# Altium PCB Inverter2beta.PcbDoc (part 3 of 5) (continued)
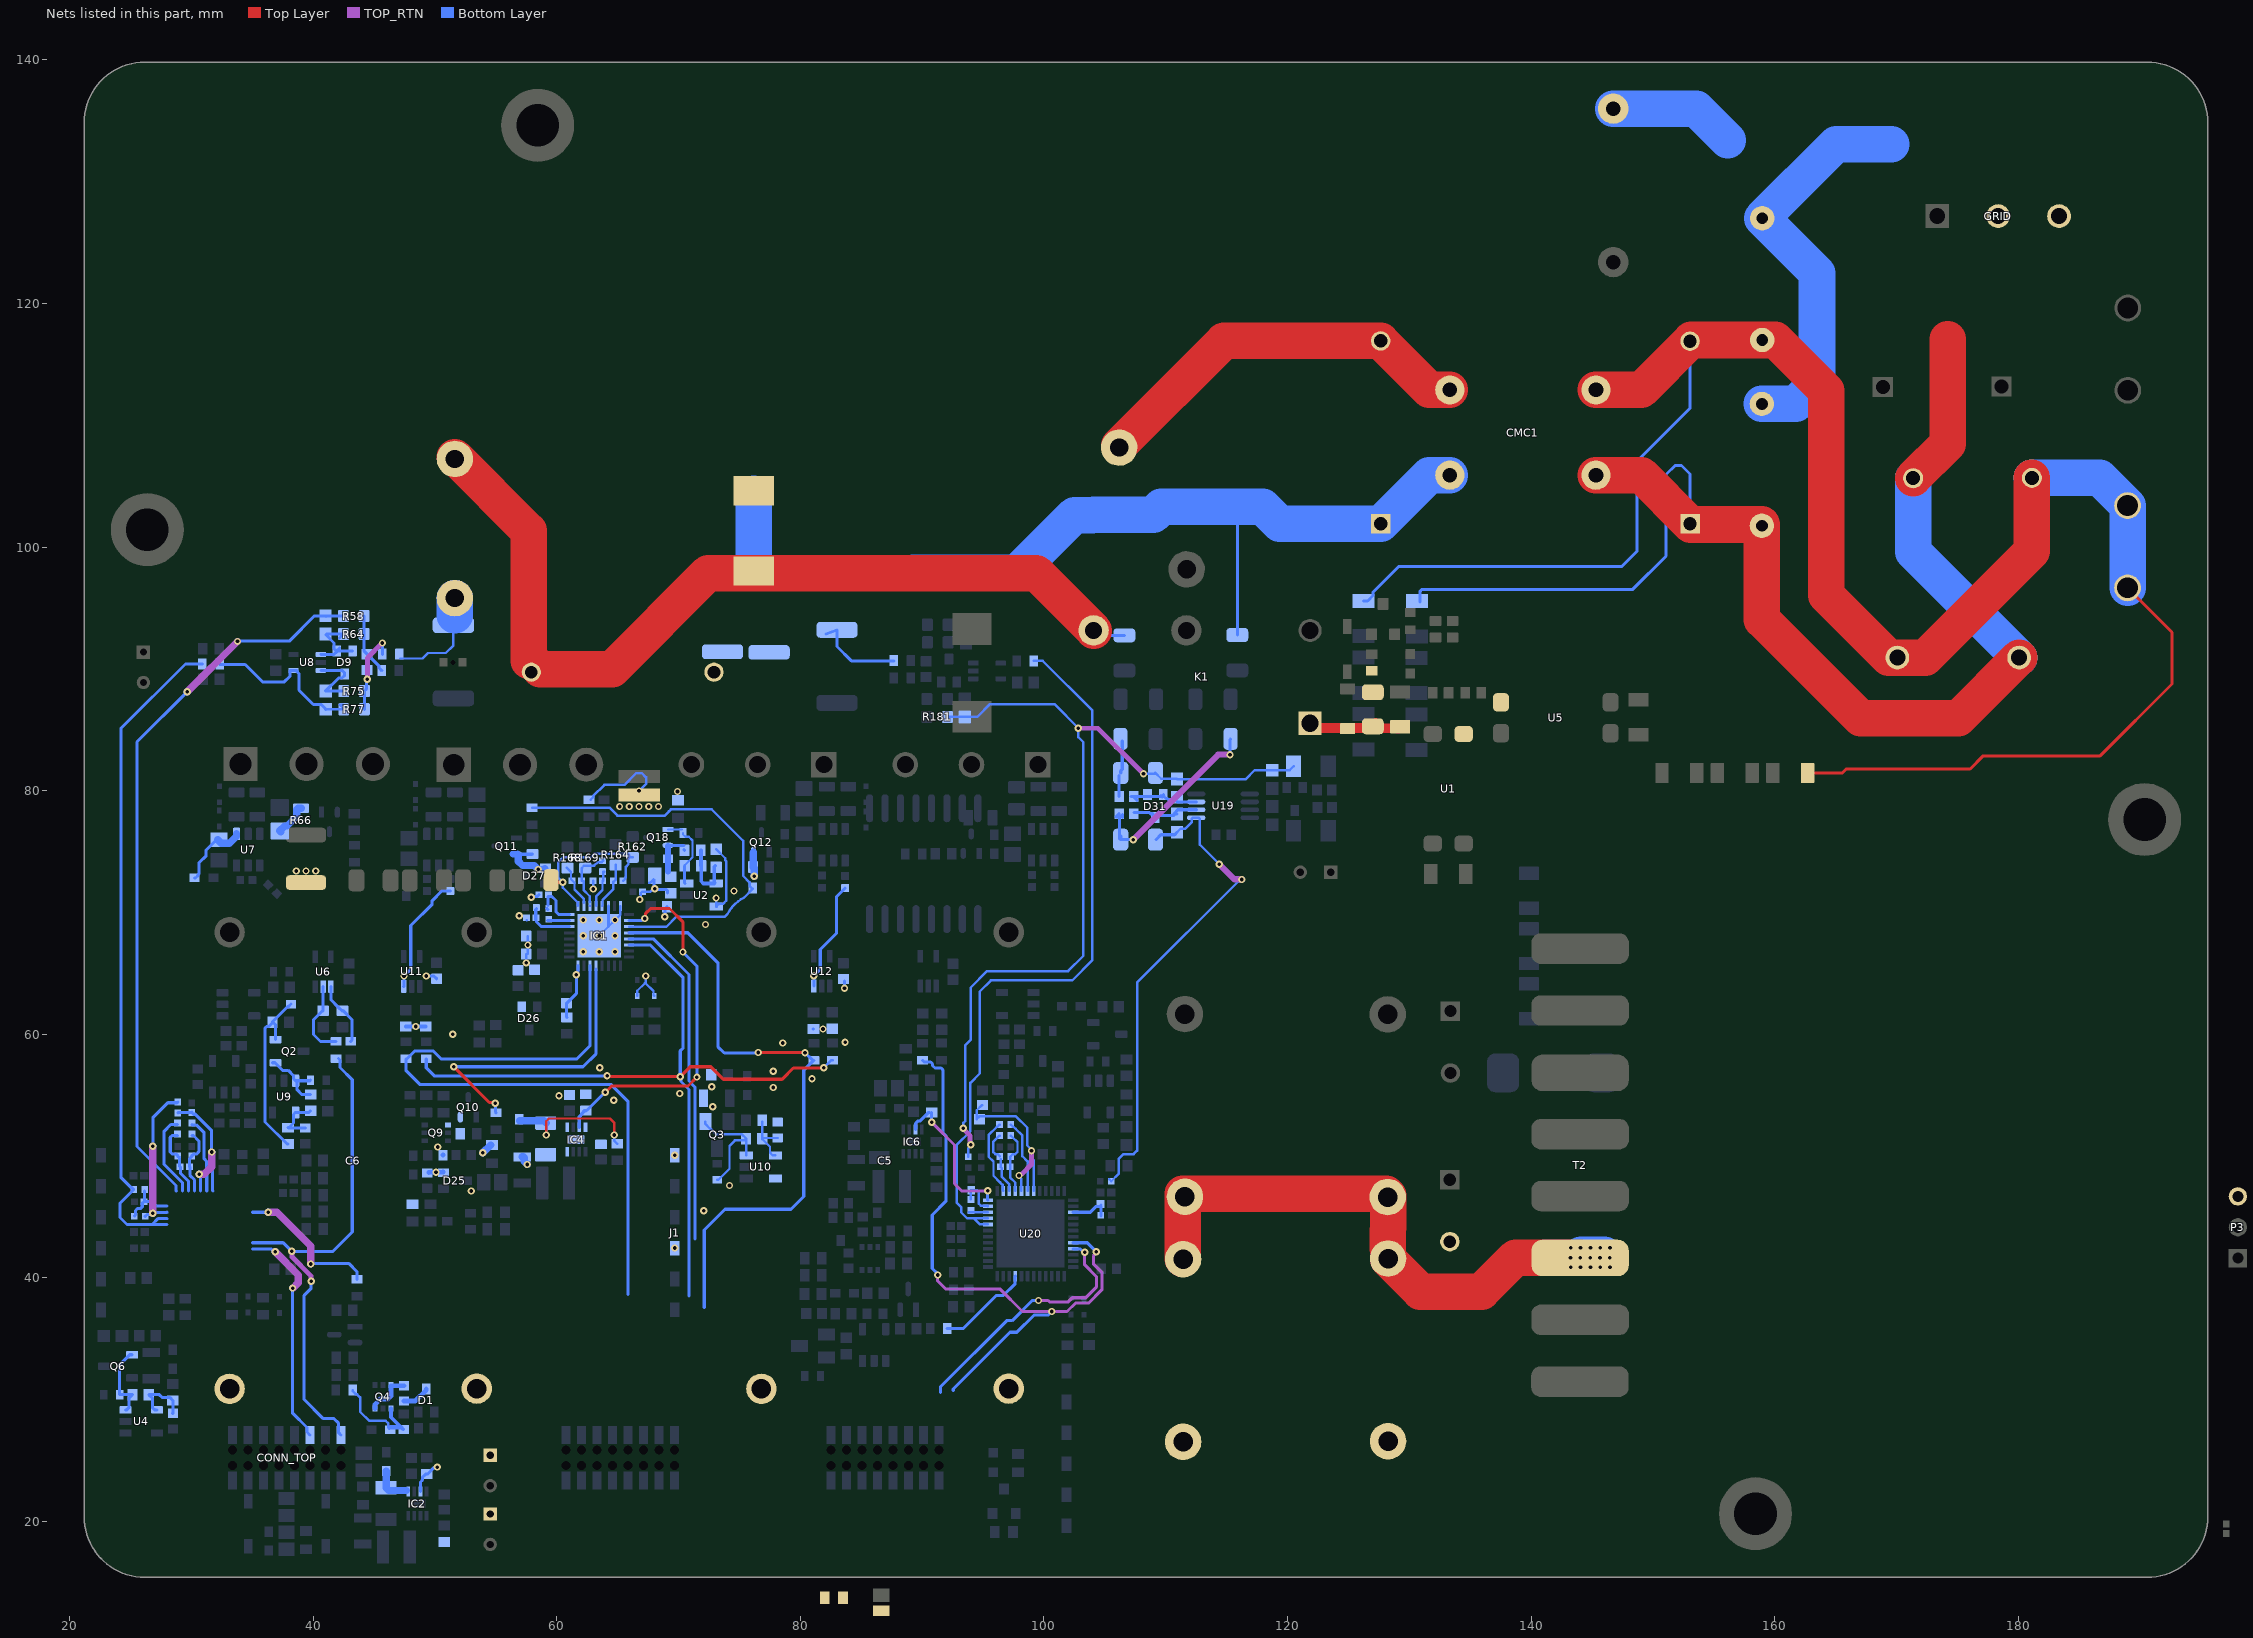
[diagram p5: the nets of this part, all layers, seen from the top]
## Part data (continued)
R71 R74 R76: library part CMP-2003-02605-1, "RES SMD 499K OHM 0.1% 1/4W 1206", Case Code (Imperial)=1206, Case Code (Metric)=3216, Manufacturer=Susumu, Manufacturer Part Number=RG3216P-4993-B-T1, Max Operating Temperature=155°C, Max Power Dissipation=250mW, Min Operating Temperature=-55°C, Package Quantity=1, Power Rating=125mW, Resistance=499kR, Resistor Type="Thin Film", Supplier Part Number 1=RG32P499KBCT-ND, Temperature coefficient=25ppm/°C, Tolerance=0.1%, Voltage Rating=150V, Voltage Rating (DC)=200V, Case/Package=1206, Category="Chip SMD Resistors", ComponentLink1Description=https://datasheet.ciiva.com/12763/rg-rm-rgh-datasheet-12763879.pdf?src-supplier=Mouser, ComponentLink1URL=https://datasheet.ciiva.com/12763/rg-rm-rgh-datasheet-12763879.pdf?src-supplier=Mouser, ComponentLink2Description=https://datasheet.ciiva.com/2490/rg-rm-rgh-datasheet-2490491.pdf?src-supplier=Digi-Key, ComponentLink2URL=https://datasheet.ciiva.com/2490/rg-rm-rgh-datasheet-2490491.pdf?src-supplier=Digi-Key, ComponentLink3Description=https://datasheet.ciiva.com/2490/rg-rm-rgh-datasheet-2490492.pdf?src-supplier=Digi-Key, ComponentLink3URL=https://datasheet.ciiva.com/2490/rg-rm-rgh-datasheet-2490492.pdf?src-supplier=Digi-Key, ComponentLink4Description=https://datasheet.ciiva.com/2490/rg-rm-rgh-datasheet-2490493.pdf?src-supplier=Digi-Key, ComponentLink4URL=https://datasheet.ciiva.com/2490/rg-rm-rgh-datasheet-2490493.pdf?src-supplier=Digi-Key, Features="Automotive AEC-Q200", Height=0.02inch, Lead Free="Lead Free", Length=0.126inch, Number of Pins=2, Number of Terminations=2, Packaging="Tape and Reel", Part Number=RG3216P-4993-B-T1, Pricing 1="1=0.59000, 10=0.42000, 100=0.21840 (USD)", RoHS=Yes, RoHS Compliant=Yes, Series=RG, Stock 1=248102, Supplier 1=Digi-Key, Termination=SMD/SMT, Width=1.6mm
R106 R114 R116: library part CMP-1659-00035-1, "General Purpose Chip Resistor, 470 Ohm, +/- 1%, -55 to 155 degC, 0603 (1608 Metric), RoHS, Tape and Reel", Case Code (Imperial)=0603, Case Code (Metric)=1608, Manufacturer=Yageo, Manufacturer Part Number=RC0603FR-07470RL, Max Operating Temperature="90 degC", Max Power Dissipation=100mW, Min Operating Temperature="-40 degC", Package Quantity=2500, Resistance="50 Ohm", Supplier Part Number 1=311-470HRCT-ND, Temperature coefficient=100ppm/°C, Tolerance=1%, Voltage Rating=50V, Working Voltage=75V, Case/Package=0603, Category="Chip SMD Resistors", ComponentLink1Description="Manufacturer URL", ComponentLink1URL=http://www.yageo.com/, ComponentLink2Description=Datasheet, ComponentLink2URL=https://datasheet.ciiva.com/11808/0900766b80f96399-11808177.pdf, ComponentLink3Description=https://datasheet.ciiva.com/11808/0900766b80f96399-11808177.pdf?src-supplier=RSComponents, ComponentLink3URL=https://datasheet.ciiva.com/11808/0900766b80f96399-11808177.pdf?src-supplier=RSComponents, ComponentLink4Description=https://datasheet.ciiva.com/7660/1868787-7660793.pdf?src-supplier=Element14, ComponentLink4URL=https://datasheet.ciiva.com/7660/1868787-7660793.pdf?src-supplier=Element14, ComponentLink5Description=https://datasheet.ciiva.com/46440/1868787-46440907.pdf?src-supplier=Element14, ComponentLink5URL=https://datasheet.ciiva.com/46440/1868787-46440907.pdf?src-supplier=Element14, ComponentLink6Description=https://datasheet.ciiva.com/2454/pyu-r-int-thick-7-2454014.pdf?src-supplier=Digi-Key, ComponentLink6URL=https://datasheet.ciiva.com/2454/pyu-r-int-thick-7-2454014.pdf?src-supplier=Digi-Key, ComponentLink7Description=https://datasheet.ciiva.com/7746/1738695-7746359.pdf?src-supplier=Element14, ComponentLink7URL=https://datasheet.ciiva.com/7746/1738695-7746359.pdf?src-supplier=Element14, ComponentLink8Description=https://datasheet.ciiva.com/7746/1738695-7746360.pdf?src-supplier=Element14, ComponentLink8URL=https://datasheet.ciiva.com/7746/1738695-7746360.pdf?src-supplier=Element14, ComponentLink9Description=https://datasheet.ciiva.com/2454/pyu-r-int-thick-7-2454012.pdf?src-supplier=Digi-Key, ComponentLink9URL=https://datasheet.ciiva.com/2454/pyu-r-int-thick-7-2454012.pdf?src-supplier=Digi-Key, ComponentLink10Description=https://datasheet.ciiva.com/2454/pyu-r-int-thick-7-2454013.pdf?src-supplier=Digi-Key, ComponentLink10URL=https://datasheet.ciiva.com/2454/pyu-r-int-thick-7-2454013.pdf?src-supplier=Digi-Key, Composition="Thick Film", Contact Material=Brass, Contact Plating=Gold, DatasheetVersion="Rev. 4, 04/2009", Depth=0.8mm, Fastening Type=Snap, Features="Moisture Resistant", Height="1.25 mm", Impedance="50 Ohm", Lead Free="Lead Free", Length="3 mm", Military Standard=Not, Mount="Surface Mount", Number of Terminations=2, PackageDescription="2-Pin Surface Mount Device, Body 1.6 x 0.8 mm", PackageReference=0603, Packaging="Tape and Reel", Power Rating=100mW, Pricing 1="1=0.10000, 10=0.02300, 100=0.00940, 1000=0.00421, 2500=0.00366 (USD)", Radiation Hardening=No, REACH SVHC="No SVHC", RoHS=Yes, RoHSCompliant=true, Stock 1=4373564, Supplier 1=Digi-Key, Termination=SMD/SMT, Width="3.1 mm"
R107 R117 R119: library part CMP-2000-06953-1, "General Purpose Chip Resistor, 1 MOhm, +/- 5%, -55 to 155 degC, 0603 (1608 Metric), RoHS, Tape and Reel", Case Code (Imperial)=0603, Case Code (Metric)=1608, Manufacturer=Yageo, Manufacturer Part Number=RC0603JR-071ML, Max Operating Temperature=155°C, Min Operating Temperature=-55°C, Package Description="2-Pin Surface Mount Device, Body 1.6 x 0.8 mm", Package Quantity=5000, Power Rating=100mW, Resistance=1Mohm, Resistance Tolerance=±5%, Resistor Case Style=0603[1608Metric], Resistor Element Type=ThickFilm, Supplier Part Number 1=311-1.0MGRCT-ND, Temperature coefficient=±100ppm/°C, Tolerance=5%, Voltage Rating=50V, Automotive Qualification Standard=-, Case/Package=0603, ComponentLink1Description=https://datasheet.ciiva.com/46395/443971-46395067.pdf?src-supplier=Element14, ComponentLink1URL=https://datasheet.ciiva.com/46395/443971-46395067.pdf?src-supplier=Element14, ComponentLink2Description=https://datasheet.ciiva.com/8883/pyu-rc0603-51-rohs-l-4-8883053.pdf?src-supplier=Avnet, ComponentLink2URL=https://datasheet.ciiva.com/8883/pyu-rc0603-51-rohs-l-4-8883053.pdf?src-supplier=Avnet, ComponentLink3Description=https://datasheet.ciiva.com/12555/rc0603-272842-12555342.pdf?src-supplier=Mouser, ComponentLink3URL=https://datasheet.ciiva.com/12555/rc0603-272842-12555342.pdf?src-supplier=Mouser, ComponentLink4Description=https://datasheet.ciiva.com/7746/443971-7746463.pdf?src-supplier=Element14, ComponentLink4URL=https://datasheet.ciiva.com/7746/443971-7746463.pdf?src-supplier=Element14, Composition="Thick Film", Contact Plating=Tin,Matte, Datasheet URL=http://www.yageo.com/documents/recent/PYu-RC_Group_51_RoHS_L_7.pdf, Datasheet Version="Rev. 7, 05/2017", Depth=0.8mm, Height=0.45mm, Lead Free="Lead Free", Length=1.6mm, Manufacturer URL=http://www.yageo.com/, Military Standard=Not, Mounting Technology=SurfaceMount, MSL=MSL1-Unlimited, Number of Pins=2, Package Reference=0603, Packaging=CutTape, Pricing 1="1=0,10000, 10=0,01900, 100=0,00770, 1000=0,00347, 2500=0,00301 (USD)", Product Range=RCSeries, Radiation Hardening=No, REACH SVHC="No SVHC", RoHS=Yes, Stock 1=3949362, Supplier 1=Digi-Key, SVHC=ToBeAdvised, Termination=SMD/SMT, Voltage Rating (DC)=50V, Width=0.8mm
R152: library part CMP-2000-00841-1, Case Code (Imperial)=0603, Case Code (Metric)=1608, Manufacturer=Panasonic, Manufacturer Part Number=ERJ-3RQF1R0V, Max Operating Temperature=125°C, Max Power Dissipation=100mW, Min Operating Temperature=-55°C, Package Quantity=5000, Resistance Tolerance=1%, Resistor Type="Thick Film", Supplier Part Number 1=P1.0AJCT-ND, Temperature coefficient=200ppm/°C, Case/Package=0603, Category="Chip SMD Resistors", ComponentLink1Description=https://datasheet.ciiva.com/11810/0900766b80eefa12-11810728.pdf?src-supplier=RSComponents, ComponentLink1URL=https://datasheet.ciiva.com/11810/0900766b80eefa12-11810728.pdf?src-supplier=RSComponents, ComponentLink2Description=https://datasheet.ciiva.com/16396/aoa0000ce3-16396837.pdf?src-supplier=Future+Electronics, ComponentLink2URL=https://datasheet.ciiva.com/16396/aoa0000ce3-16396837.pdf?src-supplier=Future+Electronics, ComponentLink3Description=https://datasheet.ciiva.com/28691/391509-28691973.pdf?src-supplier=Element14, ComponentLink3URL=https://datasheet.ciiva.com/28691/391509-28691973.pdf?src-supplier=Element14, ComponentLink4Description=https://datasheet.ciiva.com/16784/70068852-16784839.pdf?src-supplier=Allied+Electronics, ComponentLink4URL=https://datasheet.ciiva.com/16784/70068852-16784839.pdf?src-supplier=Allied+Electronics, ComponentLink5Description=https://datasheet.ciiva.com/9117/aoa0000ce3-9117368.pdf?src-supplier=Avnet, ComponentLink5URL=https://datasheet.ciiva.com/9117/aoa0000ce3-9117368.pdf?src-supplier=Avnet, ComponentLink6Description=https://datasheet.ciiva.com/24165/aoa0000ce3-72189-24165336.pdf?src-supplier=Mouser, ComponentLink6URL=https://datasheet.ciiva.com/24165/aoa0000ce3-72189-24165336.pdf?src-supplier=Mouser, ComponentLink7Description=https://datasheet.ciiva.com/30060/6aoa0000ce3-30060648.pdf?src-supplier=Onlinecomponents.com, ComponentLink7URL=https://datasheet.ciiva.com/30060/6aoa0000ce3-30060648.pdf?src-supplier=Onlinecomponents.com, ComponentLink8Description=https://datasheet.ciiva.com/6138/391509-6138777.pdf?src-supplier=Farnell, ComponentLink8URL=https://datasheet.ciiva.com/6138/391509-6138777.pdf?src-supplier=Farnell, ComponentLink9Description=https://datasheet.ciiva.com/16766/70068852-16766778.pdf?src-supplier=Allied+Electronics, ComponentLink9URL=https://datasheet.ciiva.com/16766/70068852-16766778.pdf?src-supplier=Allied+Electronics, ComponentLink10Description=https://datasheet.ciiva.com/16853/aoa0000ce3-16853436.pdf?src-supplier=Avnet+Europe, ComponentLink10URL=https://datasheet.ciiva.com/16853/aoa0000ce3-16853436.pdf?src-supplier=Avnet+Europe, ComponentLink11Description=https://datasheet.ciiva.com/43455/391509-43455868.pdf?src-supplier=Farnell, ComponentLink11URL=https://datasheet.ciiva.com/43455/391509-43455868.pdf?src-supplier=Farnell, ComponentLink12Description=https://datasheet.ciiva.com/28547/391509-28547230.pdf?src-supplier=Element14, ComponentLink12URL=https://datasheet.ciiva.com/28547/391509-28547230.pdf?src-supplier=Element14, Construction=Rectangular, Contact Plating=Tin, Depth=0.8mm, Height=0.45mm, Lead Free="Lead Free", Length=1.6mm, Military Standard=Not, Mount="Surface Mount", Number of Pins=2, Number of Terminations=2, Packaging="Tape and Reel", Part Number=ERJ-3RQF1R0V, Power Rating=100mW, Pricing 1="1=0.16000, 10=0.13600, 25=0.09920, 50=0.07200, 100=0.05330, 250=0.04092, 500=0.03224, 1000=0.02232 (USD)", Radiation Hardening=No, REACH SVHC="No SVHC", Resistance=1R, RoHS=Yes, RoHS Compliant=Yes, Series=ERJ, Size Code=0603, Stock 1=180732, Supplier 1=Digi-Key, Technology="THICK FILM", Termination=SMD/SMT, Tolerance=1%, Weight=7.1E-05oz, Width=0.8mm
R182 R216: library part CMP-2100-03667-1, "Chip Resistor, 0 Ohm, +/- 5%, 0.1 W, -55 to 155 degC, 0603 (1608 Metric), RoHS, Tape and Reel", Case Code (Imperial)=0603, Case Code (Metric)=1608, Manufacturer=Yageo, Manufacturer Part Number=RC0603JR-070RL, Max Operating Temperature=155degC, Max Power Dissipation=100mW, Min Operating Temperature=-55degC, Package Description="2-Pin Surface Mount Device, Body 1.6 x 0.8 mm", Package Quantity=5000, Resistance=0mOhm, Resistance Tolerance=5%, Resistor Type="Thick Film", Supplier Part Number 1=311-0.0GRCT-ND, Temperature coefficient=200ppm/degreesC, Voltage Rating=50V, Case/Package=0603, Category="Chip SMD Resistors", ComponentLink1Description=https://datasheet.ciiva.com/11808/pyu-r-int-6-11808700.pdf?src-supplier=RSComponents, ComponentLink1URL=https://datasheet.ciiva.com/11808/pyu-r-int-6-11808700.pdf?src-supplier=RSComponents, ComponentLink2Description=https://datasheet.ciiva.com/22747/443971-22747530.pdf?src-supplier=Element14, ComponentLink2URL=https://datasheet.ciiva.com/22747/443971-22747530.pdf?src-supplier=Element14, ComponentLink3Description=https://datasheet.ciiva.com/12555/rc0603-272842-12555254.pdf?src-supplier=Mouser, ComponentLink3URL=https://datasheet.ciiva.com/12555/rc0603-272842-12555254.pdf?src-supplier=Mouser, ComponentLink4Description=https://datasheet.ciiva.com/7746/1738695-7746421.pdf?src-supplier=Element14, ComponentLink4URL=https://datasheet.ciiva.com/7746/1738695-7746421.pdf?src-supplier=Element14, ComponentLink5Description=https://datasheet.ciiva.com/7746/1738695-7746422.pdf?src-supplier=Element14, ComponentLink5URL=https://datasheet.ciiva.com/7746/1738695-7746422.pdf?src-supplier=Element14, ComponentLink6Description=https://datasheet.ciiva.com/8883/pyu-rc0603-51-rohs-l-4-8883045.pdf?src-supplier=Avnet, ComponentLink6URL=https://datasheet.ciiva.com/8883/pyu-rc0603-51-rohs-l-4-8883045.pdf?src-supplier=Avnet, ComponentLink7Description=https://datasheet.ciiva.com/15189/getdatasheetpartid-329462-15189845.pdf?src-supplier=Verical, ComponentLink7URL=https://datasheet.ciiva.com/15189/getdatasheetpartid-329462-15189845.pdf?src-supplier=Verical, Composition=ThickFilm, Construction=Rectangular, Contact Plating=Tin, Datasheet URL=http://www.yageo.com/NewPortal/yageodocoutput?fileName=/pdf/R-Chip/PYu-RC_Group_51_RoHS_L_5.pdf, Datasheet Version="Rev. 5, 10/2016", Depth=0.8mm, Features="Moisture Resistant", Height=0.45mm, Lead Free=LeadFree, Length=1.6mm, Manufacturer URL=http://www.yageo.com/, Military Standard=Not, Number of Pins=2, Number of Terminations=2, Package Reference=0603, Packaging=TapeandReel, Power Rating=100mW, Pricing 1="1=0.10000, 10=0.01700, 25=0.01240, 50=0.00940, 100=0.00700, 250=0.00532, 500=0.00424, 1000=0.00313 (USD)", Radiation Hardening=No, REACH SVHC=NoSVHC, RoHS=Yes, RoHS Compliant=Yes, RoHSCompliant=true, Series=RC, Size Code=0603, Stock 1=8676367, Supplier 1=Digi-Key, Technology="THICK FILM", Termination=SMD/SMT, Tolerance=5%, Voltage Rating (DC)=50V, Width=0.8mm
R196 R197: library part CMP-1018-00284-1, "10R 1W 1% 2512 (6432 Metric)  SMD", Case-EIA=2512, Case-Metric=6432, Power="1 W", Tolerance="1 %", Technology=SMT
R202 R211: library part CMP-2000-00873-1, Case Code (Imperial)=0603, Case Code (Metric)=1608, Manufacturer=Panasonic, Manufacturer Part Number=ERA-3AEB102V, Max Operating Temperature=155°C, Max Power Dissipation=100mW, Min Operating Temperature=-55°C, Package Quantity=5000, Part Number=ERA3AEB102V, Resistance=1kR, Resistance Tolerance=0.1%, Resistor Type="Thin Film", Supplier Part Number 1=0566800P, Temperature coefficient=25ppm/°C, Voltage Rating=75V, Case/Package=0603, Category="Chip SMD Resistors", ComponentLink1Description=https://datasheet.ciiva.com/11808/0900766b80fe20f7-11808019.pdf?src-supplier=RSComponents, ComponentLink1URL=https://datasheet.ciiva.com/11808/0900766b80fe20f7-11808019.pdf?src-supplier=RSComponents, ComponentLink2Description=https://datasheet.ciiva.com/29183/450752-da-01-en-widerstand-0603-era-29183754.pdf?src-supplier=Conrad, ComponentLink2URL=https://datasheet.ciiva.com/29183/450752-da-01-en-widerstand-0603-era-29183754.pdf?src-supplier=Conrad, ComponentLink3Description=https://datasheet.ciiva.com/24071/aoa0000ce26-197354-24071510.pdf?src-supplier=Mouser, ComponentLink3URL=https://datasheet.ciiva.com/24071/aoa0000ce26-197354-24071510.pdf?src-supplier=Mouser, ComponentLink4Description=https://datasheet.ciiva.com/48530/era-eng-tds-48530582.pdf?src-supplier=Distrelec, ComponentLink4URL=https://datasheet.ciiva.com/48530/era-eng-tds-48530582.pdf?src-supplier=Distrelec, ComponentLink5Description=https://datasheet.ciiva.com/16781/70068849-16781703.pdf?src-supplier=Allied+Electronics, ComponentLink5URL=https://datasheet.ciiva.com/16781/70068849-16781703.pdf?src-supplier=Allied+Electronics, ComponentLink6Description=https://datasheet.ciiva.com/46422/1776116-46422455.pdf?src-supplier=Element14, ComponentLink6URL=https://datasheet.ciiva.com/46422/1776116-46422455.pdf?src-supplier=Element14, ComponentLink7Description=https://datasheet.ciiva.com/46422/485442-46422519.pdf?src-supplier=Element14, ComponentLink7URL=https://datasheet.ciiva.com/46422/485442-46422519.pdf?src-supplier=Element14, ComponentLink8Description=https://datasheet.ciiva.com/28531/485442-28531944.pdf?src-supplier=Element14, ComponentLink8URL=https://datasheet.ciiva.com/28531/485442-28531944.pdf?src-supplier=Element14, ComponentLink9Description=https://datasheet.ciiva.com/16426/aoa0000ce26-16426809.pdf?src-supplier=Future+Electronics, ComponentLink9URL=https://datasheet.ciiva.com/16426/aoa0000ce26-16426809.pdf?src-supplier=Future+Electronics, ComponentLink10Description=https://datasheet.ciiva.com/5734/aoa0000ce26-5734524.pdf?src-supplier=Farnell, ComponentLink10URL=https://datasheet.ciiva.com/5734/aoa0000ce26-5734524.pdf?src-supplier=Farnell, ComponentLink11Description=https://datasheet.ciiva.com/9198/aoa0000ce26-9198972.pdf?src-supplier=Avnet, ComponentLink11URL=https://datasheet.ciiva.com/9198/aoa0000ce26-9198972.pdf?src-supplier=Avnet, ComponentLink12Description=https://datasheet.ciiva.com/5734/485442-5734525.pdf?src-supplier=Farnell, ComponentLink12URL=https://datasheet.ciiva.com/5734/485442-5734525.pdf?src-supplier=Farnell, ComponentLink13Description=https://datasheet.ciiva.com/16725/70068849-16725038.pdf?src-supplier=Allied+Electronics, ComponentLink13URL=https://datasheet.ciiva.com/16725/70068849-16725038.pdf?src-supplier=Allied+Electronics, ComponentLink14Description=https://datasheet.ciiva.com/16853/aoa0000ce26-16853231.pdf?src-supplier=Avnet+Europe, ComponentLink14URL=https://datasheet.ciiva.com/16853/aoa0000ce26-16853231.pdf?src-supplier=Avnet+Europe, ComponentLink15Description=https://datasheet.ciiva.com/46393/1776116-46393695.pdf?src-supplier=Element14, ComponentLink15URL=https://datasheet.ciiva.com/46393/1776116-46393695.pdf?src-supplier=Element14, Construction=Rectangular, Contact Plating=Tin, Depth=0.8mm, Height=0.45mm, Length=1.6mm, Military Standard=Not, Mount="Surface Mount", Number of Pins=2, Number of Terminations=2, Packaging="Tape and Reel", Power Rating=100mW, Pricing 1="5=0.38700, 50=0.32600, 250=0.12700, 1250=0.06600, 2500=0.04700 (USD)", Radiation Hardening=No, REACH SVHC="No SVHC", RoHS=Yes, RoHS Compliant=Yes, Series=ERA-3A, Size Code=0603, Stock 1=1, Supplier 1=RSComponents, Technology="METAL FILM", Termination=SMD/SMT, Tolerance=0.1%, Width=0.8mm
R203 R212: library part CMP-2000-00927-1, Case Code (Imperial)=0603, Case Code (Metric)=1608, Manufacturer=Panasonic, Manufacturer Part Number=ERA-3AEB1651V, Max Operating Temperature=155°C, Max Power Dissipation=100mW, Min Operating Temperature=-55°C, Package Quantity=1, Part Number=ERA3AEB1651V, Resistance=1.65kR, Resistor Type="Metal Film,Thin Film", Supplier Part Number 1=P1.65KDBCT-ND, Temperature coefficient=25ppm/°C, Tolerance=0.1%, Voltage Rating=75V, Case/Package=0603, Category="Chip SMD Resistors", ComponentLink1Description=https://datasheet.ciiva.com/11809/0900766b80eb1d8c-11809743.pdf?src-supplier=RSComponents, ComponentLink1URL=https://datasheet.ciiva.com/11809/0900766b80eb1d8c-11809743.pdf?src-supplier=RSComponents, ComponentLink2Description=https://datasheet.ciiva.com/29183/451859-da-01-en-widerstand-0603-era-29183902.pdf?src-supplier=Conrad, ComponentLink2URL=https://datasheet.ciiva.com/29183/451859-da-01-en-widerstand-0603-era-29183902.pdf?src-supplier=Conrad, ComponentLink3Description=https://datasheet.ciiva.com/9197/aoa0000ce26-9197850.pdf?src-supplier=Avnet, ComponentLink3URL=https://datasheet.ciiva.com/9197/aoa0000ce26-9197850.pdf?src-supplier=Avnet, ComponentLink4Description=https://datasheet.ciiva.com/17214/aoa0000ce26-17214586.pdf?src-supplier=Avnet+Europe, ComponentLink4URL=https://datasheet.ciiva.com/17214/aoa0000ce26-17214586.pdf?src-supplier=Avnet+Europe, ComponentLink5Description=https://datasheet.ciiva.com/7920/485442-7920363.pdf?src-supplier=Element14, ComponentLink5URL=https://datasheet.ciiva.com/7920/485442-7920363.pdf?src-supplier=Element14, ComponentLink6Description=https://datasheet.ciiva.com/7920/485442-7920364.pdf?src-supplier=Element14, ComponentLink6URL=https://datasheet.ciiva.com/7920/485442-7920364.pdf?src-supplier=Element14, Contact Plating=Tin, Depth=0.8mm, Features="Automotive AEC-Q200", Height=0.45mm, Lead Free="Lead Free", Length=1.6mm, Military Standard=Not, Mount="Surface Mount", Number of Pins=2, Number of Terminations=2, Packaging="Tape and Reel", Power Rating=100mW, Pricing 1="1=0.31000, 10=0.26000, 100=0.10150, 1000=0.04248, 2500=0.03894 (USD)", Radiation Hardening=No, REACH SVHC="No SVHC", RoHS=Yes, Stock 1=109834, Supplier 1=Digi-Key, Voltage Rating (DC)=75V, Width=0.8mm
R205 R214: library part CMP-2000-00583-1, Case Code (Imperial)=0603, Case Code (Metric)=1608, Manufacturer=Panasonic, Manufacturer Part Number=ERJ-3EKF59R0V, Max Operating Temperature=155°C, Max Power Dissipation=100mW, Min Operating Temperature=-55°C, Package Quantity=1, Resistance Tolerance=1%, Resistor Type="Thick Film", Supplier Part Number 1=P59.0HCT-ND, Temperature coefficient=100ppm/°C, Voltage Rating=75V, Voltage Rating (DC)=50V, Case/Package=0603, Category="Chip SMD Resistors", ComponentLink1Description=https://datasheet.ciiva.com/9188/aoa0000ce2-9188485.pdf?src-supplier=Avnet, ComponentLink1URL=https://datasheet.ciiva.com/9188/aoa0000ce2-9188485.pdf?src-supplier=Avnet, ComponentLink2Description=https://datasheet.ciiva.com/46420/1678782-46420341.pdf?src-supplier=Element14, ComponentLink2URL=https://datasheet.ciiva.com/46420/1678782-46420341.pdf?src-supplier=Element14, ComponentLink3Description=https://datasheet.ciiva.com/22729/1678782-22729158.pdf?src-supplier=Farnell, ComponentLink3URL=https://datasheet.ciiva.com/22729/1678782-22729158.pdf?src-supplier=Farnell, ComponentLink4Description=https://datasheet.ciiva.com/22673/1678782-22673800.pdf?src-supplier=Element14, ComponentLink4URL=https://datasheet.ciiva.com/22673/1678782-22673800.pdf?src-supplier=Element14, ComponentLink5Description=https://datasheet.ciiva.com/9188/aoa0000ce2-9188489.pdf?src-supplier=Avnet, ComponentLink5URL=https://datasheet.ciiva.com/9188/aoa0000ce2-9188489.pdf?src-supplier=Avnet, ComponentLink6Description=https://datasheet.ciiva.com/30242/aoa0000ce2-30242153.pdf?src-supplier=Onlinecomponents.com, ComponentLink6URL=https://datasheet.ciiva.com/30242/aoa0000ce2-30242153.pdf?src-supplier=Onlinecomponents.com, ComponentLink7Description=https://datasheet.ciiva.com/16777/70260748-16777979.pdf?src-supplier=Allied+Electronics, ComponentLink7URL=https://datasheet.ciiva.com/16777/70260748-16777979.pdf?src-supplier=Allied+Electronics, Construction=Rectangular, Contact Plating=Tin, Depth=0.8mm, Features="Automotive AEC-Q200", Height=0.45mm, Lead Free="Contains Lead", Length=1.6mm, Military Standard=Not, Mount="Surface Mount", Number of Terminations=2, Packaging="Tape and Reel", Part Number=ERJ-3EKF59R0V, Power Rating=100mW, Pricing 1="1=0.10000, 10=0.03700, 100=0.01490, 1000=0.00670, 2500=0.00582 (USD)", REACH SVHC=Yes, Resistance=59R, RoHS=Yes, RoHS Compliant=Yes, Series=ERJ, Stock 1=39151, Supplier 1=Digi-Key, Technology="THICK FILM", Termination=SMD/SMT, Tolerance=1%, Width=0.031inch
Rcsn: library part FCSL32R010FER, "Resistors FCSL Series Metal Foil Power Rating 1.5W Tape Reel Resistance 20 mOhms", Manufacturer=Ohmite, Manufacturer Part Number=FCSL32R020FER, Mouser Part Number=588-FCSL32R020FER, Supplier Part Number 1=FCSL32R020FERCT-ND, Category="Chip SMD Resistors", ComponentLink1Description=http://www.farnell.com/datasheets/2645666.pdf?src-supplier=Farnell, ComponentLink1URL=http://www.farnell.com/datasheets/2645666.pdf?src-supplier=Farnell, Datasheet Link=https://www.mouser.com/datasheet/2/303/res_fcsl-1265567.pdf, Height=0.8mm, Manufacturer_Name=Ohmite, Manufacturer_Part_Number=FCSL32R020FER, Mouser Price/Stock=https://www.mouser.co.uk/ProductDetail/Ohmite/FCSL32R010FER?qs=y6ZabgHbY%252Bzyqz46BACxrg%3D%3D, Pricing 1="1=0.63000, 10=0.45000, 25=0.35120, 50=0.29700, 100=0.23400, 250=0.19800, 500=0.16200, 1000=0.12600 (USD)", RoHS=Yes, Stock 1=1940, Supplier 1=Digi-Key
RELAY: library part CMP-1426-00002-1, "SMD mono-color Chip LED, WL-SMCW, Green", Color=Green, Manufacturer="Wuerth Elektronik", ComponentLink1Description="Manufacturer URL", ComponentLink1URL=http://www.we-online.com, ComponentLink2Description=Datasheet, ComponentLink2URL=http://katalog.we-online.com/led/datasheet/150060GS75000.pdf, PackageReference=0603_A, PartNumber=150060GS75000
T2: library part TI-ETD39-200V-2A-LLC, "Lr=1.9uH / Lm=10.2uH / n=5.7 / Vin=30-40V / Vout=200V"
TP7 TP25 TP26: library part CMP-2000-05182-1, "Test Point, White, 1-Pin THD, RoHS, Bulk", Color=White, Manufacturer=KeystoneElectronics, Brand=KeystoneElectronics, Contact Material=PhosphorBronze, Datasheet URL=https://ciiva.com/datasheet-click-2917627?src=ciiva&sig=bd195616, Datasheet Version="Rev. G, 12/2008", Length=7.62mm, Manufacturer URL=http://www.keyelco.com/, Material=Nylon, Mounting Hole Size=1mm, Outside Diameter=2.54mm, Packaging=Bulk, Plating=Silver, Product=TestPoints, Product Category=CircuitBoardHardware-PCB, RoHS=True, Type=Miniature
TP9 TP10: library part CMP-2000-05181-1, "Test Point, Black, 1-Pin THD, RoHS, Bulk", Alternate Color="5004K-ND / -TESTPOINTPCMINI.040\"DYELLOW / 5003K-ND / -TESTPOINTPCMINI.040\"DORANGE / 5002K-ND / -TESTPOINTPCMINI.040\"DWHITE / 5000K-ND / -TESTPOINTPCMINI.040\"DRED", Color=Black, Manufacturer=Keystone, Standard Package=100, Catalog Drawings=5000Series, Category=TestandMeasurement, Datasheet URL=https://ciiva.com/datasheet-click-2917627?src=ciiva&sig=bd195616, Datasheet Version="Rev. G, 12/2008", Family=TestPoints, Kits="DKTGRS232C-KIT-ND / -TTLCONVERTER", Manufacturer URL=http://www.keyelco.com/, Material=Base,Nylon46,UL94V-0, Mounting Type="0.040\"(1.02mm)HoleDiameter", Online Catalog=ColorCodedTestPoints, Other Names=5001K, Packaging=Bulk, RoHS Information=RoHSComplianceStatement, Series=THM, Terminal="0.010\"x0.020\"(0.25mmx0.51mm)PhosphorBronzeWire,SilverPlated", Type=PCTestPoint,Miniature
U1 U5: "Optocoupler DC-IN 1-CH Transistor DC-OUT 4-Pin PDIP SMD T/R", Case/Package=SMD/SMT, Collector Emitter Saturation Voltage=200mV, Collector Emitter Voltage (VCEO)=80V, Current Transfer Ratio=320%, Forward Current=50mA, Forward Voltage=1.4V, Isolation Voltage=5kV, Manufacturer="Vishay Lite-On", Manufacturer Part Number=LTV-816S-TA1, Max Operating Temperature=110°C, Max Power Dissipation=200mW, Min Operating Temperature=-50°C, Package Quantity=1000, Reverse Breakdown Voltage=6V, Supplier Part Number 1=859-LTV-816S-TA1, Category=Optocouplers, Collector-emitter Voltage-Max=200mV, ComponentLink1Description=https://datasheet.ciiva.com/15119/getdatasheetpartid-317372-15119066.pdf?src-supplier=Verical, ComponentLink1URL=https://datasheet.ciiva.com/15119/getdatasheetpartid-317372-15119066.pdf?src-supplier=Verical, ComponentLink2Description=https://datasheet.ciiva.com/6573/s-110-ltv-816826846m-s-s-ta-s-ta1-s-tpseries-6573991.pdf?src-supplier=Digi-Key, ComponentLink2URL=https://datasheet.ciiva.com/6573/s-110-ltv-816826846m-s-s-ta-s-ta1-s-tpseries-6573991.pdf?src-supplier=Digi-Key, ComponentLink3Description=https://datasheet.ciiva.com/6573/s-110-ltv-816826846m-s-s-ta-s-ta1-s-tpseries-6573992.pdf?src-supplier=Digi-Key, ComponentLink3URL=https://datasheet.ciiva.com/6573/s-110-ltv-816826846m-s-s-ta-s-ta1-s-tpseries-6573992.pdf?src-supplier=Digi-Key, ComponentLink4Description=https://datasheet.ciiva.com/6573/s-110-ltv-816826846m-s-s-ta-s-ta1-s-tpseries-6573993.pdf?src-supplier=Digi-Key, ComponentLink4URL=https://datasheet.ciiva.com/6573/s-110-ltv-816826846m-s-s-ta-s-ta1-s-tpseries-6573993.pdf?src-supplier=Digi-Key, Fall Time=18000ns, Input Type=DC, Isolation Voltage-Max=5kV, Lead Free="Lead Free", Max Collector Current=50mA, Max Input Current=50mA, Max Output Voltage=80V, Mount="Surface Mount", Number of Channels=1, Number of Circuits=1, Number of Elements=1, Number of Pins=4, Output Current Per Channel=50mA, Output Voltage=80V, Packaging="Tape and Reel", Power Dissipation=200mW, Pricing 1="1=0.22000, 10=0.19900, 50=0.19900, 100=0.18000, 1000=0.12500, 10000=0.09700 (USD)", Radiation Hardening=No, Rise Time=18000ns, RoHS=Yes, RoHS Compliant=Yes, Series=-, Stock 1=373, Supplier 1=Mouser
U2 U10 U14 U18 U22 U25: library part CMP-0242-00042-1, "30mA, Low voltage adjustable shunt reference, 1.24 to 6V, 5-Pin SOT23-5, Tape and Reel", ComponentLink1Description="Manufacturer URL", ComponentLink1URL=http://www.st.com, ComponentLink2Description=Datasheet, ComponentLink2URL=http://www.st.com/internet/com/TECHNICAL_RESOURCES/TECHNICAL_LITERATURE/DATASHEET/CD00001336.pdf, DatasheetVersion=Aug-2010, PackageDescription="5-Pin SOT-23 Package, 2.9 x 1.6 mm Body, 0.95 mm Pitch, 2.8 mm Lead Span", PackageReference=SOT23-5, PackageVersion=2010
U3 U7 U13 U16: "Single-channel EiceDRIVER™ with true  differential inputs"
U4 U9: library part PM-REF-431-IL5, "30mA, Low voltage adjustable shunt reference, 1.24 to 6V, 5-Pin SOT23-5, Tape and Reel", ComponentLink1Description="Manufacturer URL", ComponentLink1URL=http://www.st.com, ComponentLink2Description=Datasheet, ComponentLink2URL=http://www.st.com/internet/com/TECHNICAL_RESOURCES/TECHNICAL_LITERATURE/DATASHEET/CD00001336.pdf, DatasheetVersion=Aug-2010, PackageDescription="5-Pin SOT-23 Package, 2.9 x 1.6 mm Body, 0.95 mm Pitch, 2.8 mm Lead Span", PackageReference=SOT23-5, PackageVersion=2010
U6 U11 U12 U15: library part CMP-0859-00394-3, "Single 2-Input Positive-AND Gate, DCK0005A, SMALL T&R", F @ Nom Voltage(Max)(Mhz)=75, Generic Part Number=SN74AHC1G08, ICC @ Nom Voltage(Max)(mA)=0.01, Manufacturer="Texas Instruments", Operating Temperature Range(C)="-55 to 125", Rating=Catalog, tpd @ Nom Voltage(Max)(ns)=12.3,7.9, Voltage(Nom)(V)=3.3,5, 3-State Output=No, Bits(#)=1, DatasheetVersion=SCLS314N, Gate Type=AND, Input Type=CMOS, Logic=True, Output Drive (IOL/IOH)(Max)(mA)=50/-50, Output Type=CMOS, PackageReference=DCK0005A, Schmitt Trigger=No, Sub-Family="AND Gate", Technology Family=AHC, VCC(Max)(V)=5.5, VCC(Min)(V)=2
U8 U17: library part CMP-0272-01102-3, "1 MHz, 45 uA, RRIO, Single Operational Amplifier, 2.1 to 5.5 V, -40 to 125 degC, 5-pin SOT23 (DCK5), Green (RoHS & no Sb/Br)", Manufacturer="Texas Instruments", PartNumber=OPA348AIDCKT, Rating=Catalog, Total Supply Voltage(Max)(+5V is 5, +/-5V is 10)=5.5, Total Supply Voltage(Min)(+5V is 5, +/-5V is 10)=2.1, CMRR(Min)(dB)=70, Code_JEDEC=MO-203, ComponentLink1Description="Manufacturer URL", ComponentLink1URL=http://www.ti.com/, ComponentLink2Description=Datasheet, ComponentLink2URL=http://www.ti.com/lit/ds/symlink/opa348.pdf, ComponentLink3Description="Package Specification", ComponentLink3URL=http://www.ti.com/litv/pdf/mpds025f, DatasheetVersion=SBOS213G, Eco-Plan="Green (RoHS & no Sb/Br)", GBW(Typ)(MHz)=1, IIB(Max)(pA)=10, Iq per channel(Max)(mA)=0.065, Mounting Technology="Surface Mount", Number of Channels=1, Offset Drift(Typ)(uV/C)=4, PackageDescription="5-Pin Plastic Small Outline, Body 2 x 1.25 mm, Pitch 0.65 mm", PackageReference=DCK0005A, PackageVersion="4093553-3/G, 01/2007", Packing="SMALL T&R", Slew Rate(Typ)(V/us)=0.5, Sub Family="Low Input Bias Current Amp (<=10pA), Low Power Amp (<=500uA), Low Supply Voltage Amplifier (<=2.7V), Precision Amplifier", Vio (25C)(Max)(mV)=5
U19: library part AMP-OPA-MCP602-IL8, "2.8 MHz, 150 Î¼A Dual Op Amp, 8-Pin SOIC, Extended Temperature Range, Tape and Reel", Code_IPC=SOIC127P600-8, Code_JEDEC=MS-012, ComponentLink1Description="Manufacturer URL", ComponentLink1URL=http://www.microchip.com/, ComponentLink2Description=Datasheet, ComponentLink2URL=http://ww1.microchip.com/downloads/en/DeviceDoc/22145a.pdf, ComponentLink3Description="Package Specification", ComponentLink3URL=http://www.microchip.com/stellent/groups/techpub_sg/documents/packagingspec/en012702.pdf, DatasheetVersion="revA, Mar-2009", PackageDescription="8-Lead Plastic Small Outline (SN) - Narrow, 3.90mm Body [SOIC]", PackageReference=SOIC-SN8, PackageVersion="revBB, Aug-2009", RevisionNote="URLs added."
U20 U23: Manufacturer=STMicroelectronics, Manufacturer Part Number=STM32G491CCU6, Supplier Part Number 1=497-STM32G491CCU6-ND, RoHS=Yes, Supplier 1=Digi-Key
U21 U24: library part CMP-0187-00454-2, "2.8 MHz, 150 Î¼A Op Amp, 5-Pin SOT-23, Extended Temperature Range, Tape and Reel", Code_IPC=SOT23-5, ComponentLink1Description="Manufacturer URL", ComponentLink1URL=http://www.microchip.com/, ComponentLink2Description=Datasheet, ComponentLink2URL=http://ww1.microchip.com/downloads/en/DeviceDoc/22145a.pdf, ComponentLink3Description="Package Specification", ComponentLink3URL=http://www.microchip.com/stellent/groups/techpub_sg/documents/packagingspec/en012702.pdf, DatasheetVersion="revA, Mar-2009", PackageDescription="5-Lead Plastic Small Outline Transistor (OT) [SOT-23]", PackageReference=SOT-23-OT5, PackageVersion="revBB, Aug-2009", RevisionNote="URLs added."
U?: "650 V high-side and low-side gate driver with integrated bootstrap diode", Manufacturer=Infineon, Manufacturer Part Number=2ED2110S06MXUMA1, Supplier Part Number 1=2220Y1000471FCT-ND, Pricing 1="1000=4.53414 (USD)", RoHS=Yes, Supplier 1=Digi-Key

## Free pads (board coordinates)
  round 0.3 hole 0.4: 2(51.475,90.525)
  round 6 hole 3.5: H2(58.425,134.625) H4(158.425,20.625) H5(190.375,77.625) H6(26.375,101.425)

## Via types
v1: diameter 0.6, hole 0.3, Top Layer to Bottom Layer, tented both sides, 425 vias

## Nets (pads, with @x,y where several pads share a name; then routed paths per layer and width w, separated by ;. In a path a pad name is that pad's centre, name@x,y a point inside that pad or via, vN(x,y) a via of type N, cw(c..) or ccw(c..) an arc to the next point about the centre after c; other vN are vias at no path point)
AC_FUSE_MON: C19.2 R14.1
ADC1_IN4_5: C126.2 R185.2 U20.11 | length 3.2
  Bottom Layer w0.2: R185.2@94,46.45 94,47.185 94.015,47.2 94.475,47.2 94.65,47.025 94.65,46.075 94.809,45.916 95.359,45.916 U20.11@95.4,45.875
ADC1_IN5_5: C151.2 R200.2 U20.27 | length 3.3
  Bottom Layer w0.254: U20.27@102.4,45.375 103.797,45.375 104.279,45.857 104.567,45.857 C151.2@104.685,45.975 ; R200.2@104.667,45.068 C151.2@104.667,45.857
ADC2_IN4_5: C144.1 C149.2 R198.2 U20.15 | length 5.2
  Bottom Layer w0.2: R198.2@96.35,51.675 95.827,51.152 95.827,50.335 96.012,50.15 96.205,50.15 96.375,49.98 C144.1@96.375,49.96 ; C144.1@96.435,49.727 C149.2@96.435,49.1 96.55,48.985 96.548,48.982 96.548,48.278 97.134,47.691 97.134,47.141 U20.15@97.15,47.125
ADC2_IN5_5: C149.1 C150.2 R199.2 U20.16 | length 5.3
  Bottom Layer w0.2: R199.2@97.275,51.675 97.642,51.308 97.66,51.308 97.823,51.145 97.823,50.335 97.638,50.15 97.445,50.15 97.275,49.98 C150.2@97.275,49.96 97.245,49.93 97.245,49.13 C149.1@97.215,49.1 97.215,48.235 97.65,47.8 U20.16@97.65,47.125
BOTT_GND: C1.2 C3.2 C5.2 C6.2 C8.1 C42.1 C43.1 C45.1 C48.1 C49.1 C53.1 C54.1 C55.1 C56.1 C57.2 C58.2 C59.2 C74.1 C76.1 C77.1 C78.1 C79.1 C80.1 C82.1 C85.2 C86.1 C87.1 C89.1 C90.1 C91.1 C114.1 C118.1 C119.1 C120.1 C134.1 C135.1 C136.1 C137.1 C142.1 D4.2 D6.2 D7.2 D25.2 D26.1 D27.1 IC1.14 IC1.16 IC1.32 IC1.33 IC4.4 IC4.8 IC4.9 J1.3 J1.6 NTC2.1 NTC3.1 Q8.2 Q9.1 Q10.2 Q11.2 Q12.2 R10.1 R70.1 R88.1 R104.1 R107.1 R108.1 R121.1 R122.1 R149.1 R154.1 R157.1 R161.2 R167.1 R171.2 R195.1 Rcsn.1 TP9.1 U2.5 U10.5 U11.3 U12.3 | length 66.6
  Bottom Layer w0.2: v1(57.475,65.85) C77.1@57.475,66.575 ; C45.1@57.51,69.375 C45.1@57.523,69.362 ; C120.1@57.6,68.05 57.625,68.025 v1@57.625,67.325 ; C77.1@57.622,66.597 v1(57.622,67.325) ; R167.1@62.775,79.25 62.975,79.45 62.975,79.55 63.9,80.475 65.55,80.475 66.503,81.428 66.989,81.428 67.328,81.089 67.328,80.553 v1(66.75,79.975) ; C118.1@62.985,72.6 62.993,72.593 62.993,71.933 v1(63,71.925) ; v1(63.475,68.075) 64.225,68.825 v1(64.775,69.375) 65.2,69.8 65.2,70.5 IC1.16@65.225,70.525 ; D7.2@66.6,63.14 66.606,63.146 66.606,63.563 67.223,64.18 ; v1(66.8,71.053) 66.877,71.129 66.877,71.562 C80.1@67.015,71.7 67.692,71.7 67.942,71.95 v1(68.05,71.95) ; v1(67.3,64.775) 67.3,64.175 67.935,63.54 67.935,63.205 D6.2@68,63.14 ; C48.1@67.6,72.425 67.65,72.425 C48.1@67.925,72.7 ; U2.5@73.075,70.475 U2.5@73.113,70.513 ; v1(73.075,71.175) 73.075,70.55 U2.5@73.113,70.513 ; R88.1@73.075,75.2 73.825,74.45 73.825,74.293 73.903,74.215 73.903,70.953 73.65,70.7 73.3,70.7 U2.5@73.113,70.513 ; U2.5@73.15,70.475 U2.5@73.113,70.513
  Bottom Layer w0.254: U11.3@47.425,63.925 47.437,63.938 47.437,64.763 v1(47.45,64.775) 48.005,65.33 48.005,68.92 49.757,70.671 49.757,70.963 50.544,71.75 R149.1@51.25,71.75 ; v1(49.275,64.775) 49.9,64.775 C136.1@50.125,64.55 ; Q11.2@57.05,74.775 57.975,74.775 R154.1@58,74.8 ; v1(57.9,71.25) 57.966,71.316 58.401,71.316 C78.1@58.535,71.45 ; C85.2@60.8,62.55 60.8,61.4 R171.2@60.825,61.375 ; C85.2@60.825,62.55 61.6,63.325 61.6,64.969 61.723,65.092 61.723,65.623 IC1.32@61.725,65.625 ; IC1.33@64.225,68.825 IC1.14@64.225,70.525 ; C48.1@67.925,72.7 67.988,72.638 67.988,72.013 v1(68.05,71.95) 68.108,71.892 68.758,71.892 68.777,71.873 69.002,71.873 69.075,71.8 C49.1@69.075,71.575 ; v1(68.865,69.64) 68.865,70.29 C79.1@69.05,70.475 ; C82.1@81.025,60.425 C82.1@81.075,60.425 ; U12.3@81.1,63.95 v1(81.1,64.8) 81.63,65.33 81.63,66.955 82.957,68.282 82.957,71.282 R108.1@83.675,72 ; v1(83.625,63.775) C137.1@83.625,64.35